# Altium PCB OpenCore_Carrier_Board.PcbDoc (part 4 of 5) (continued)
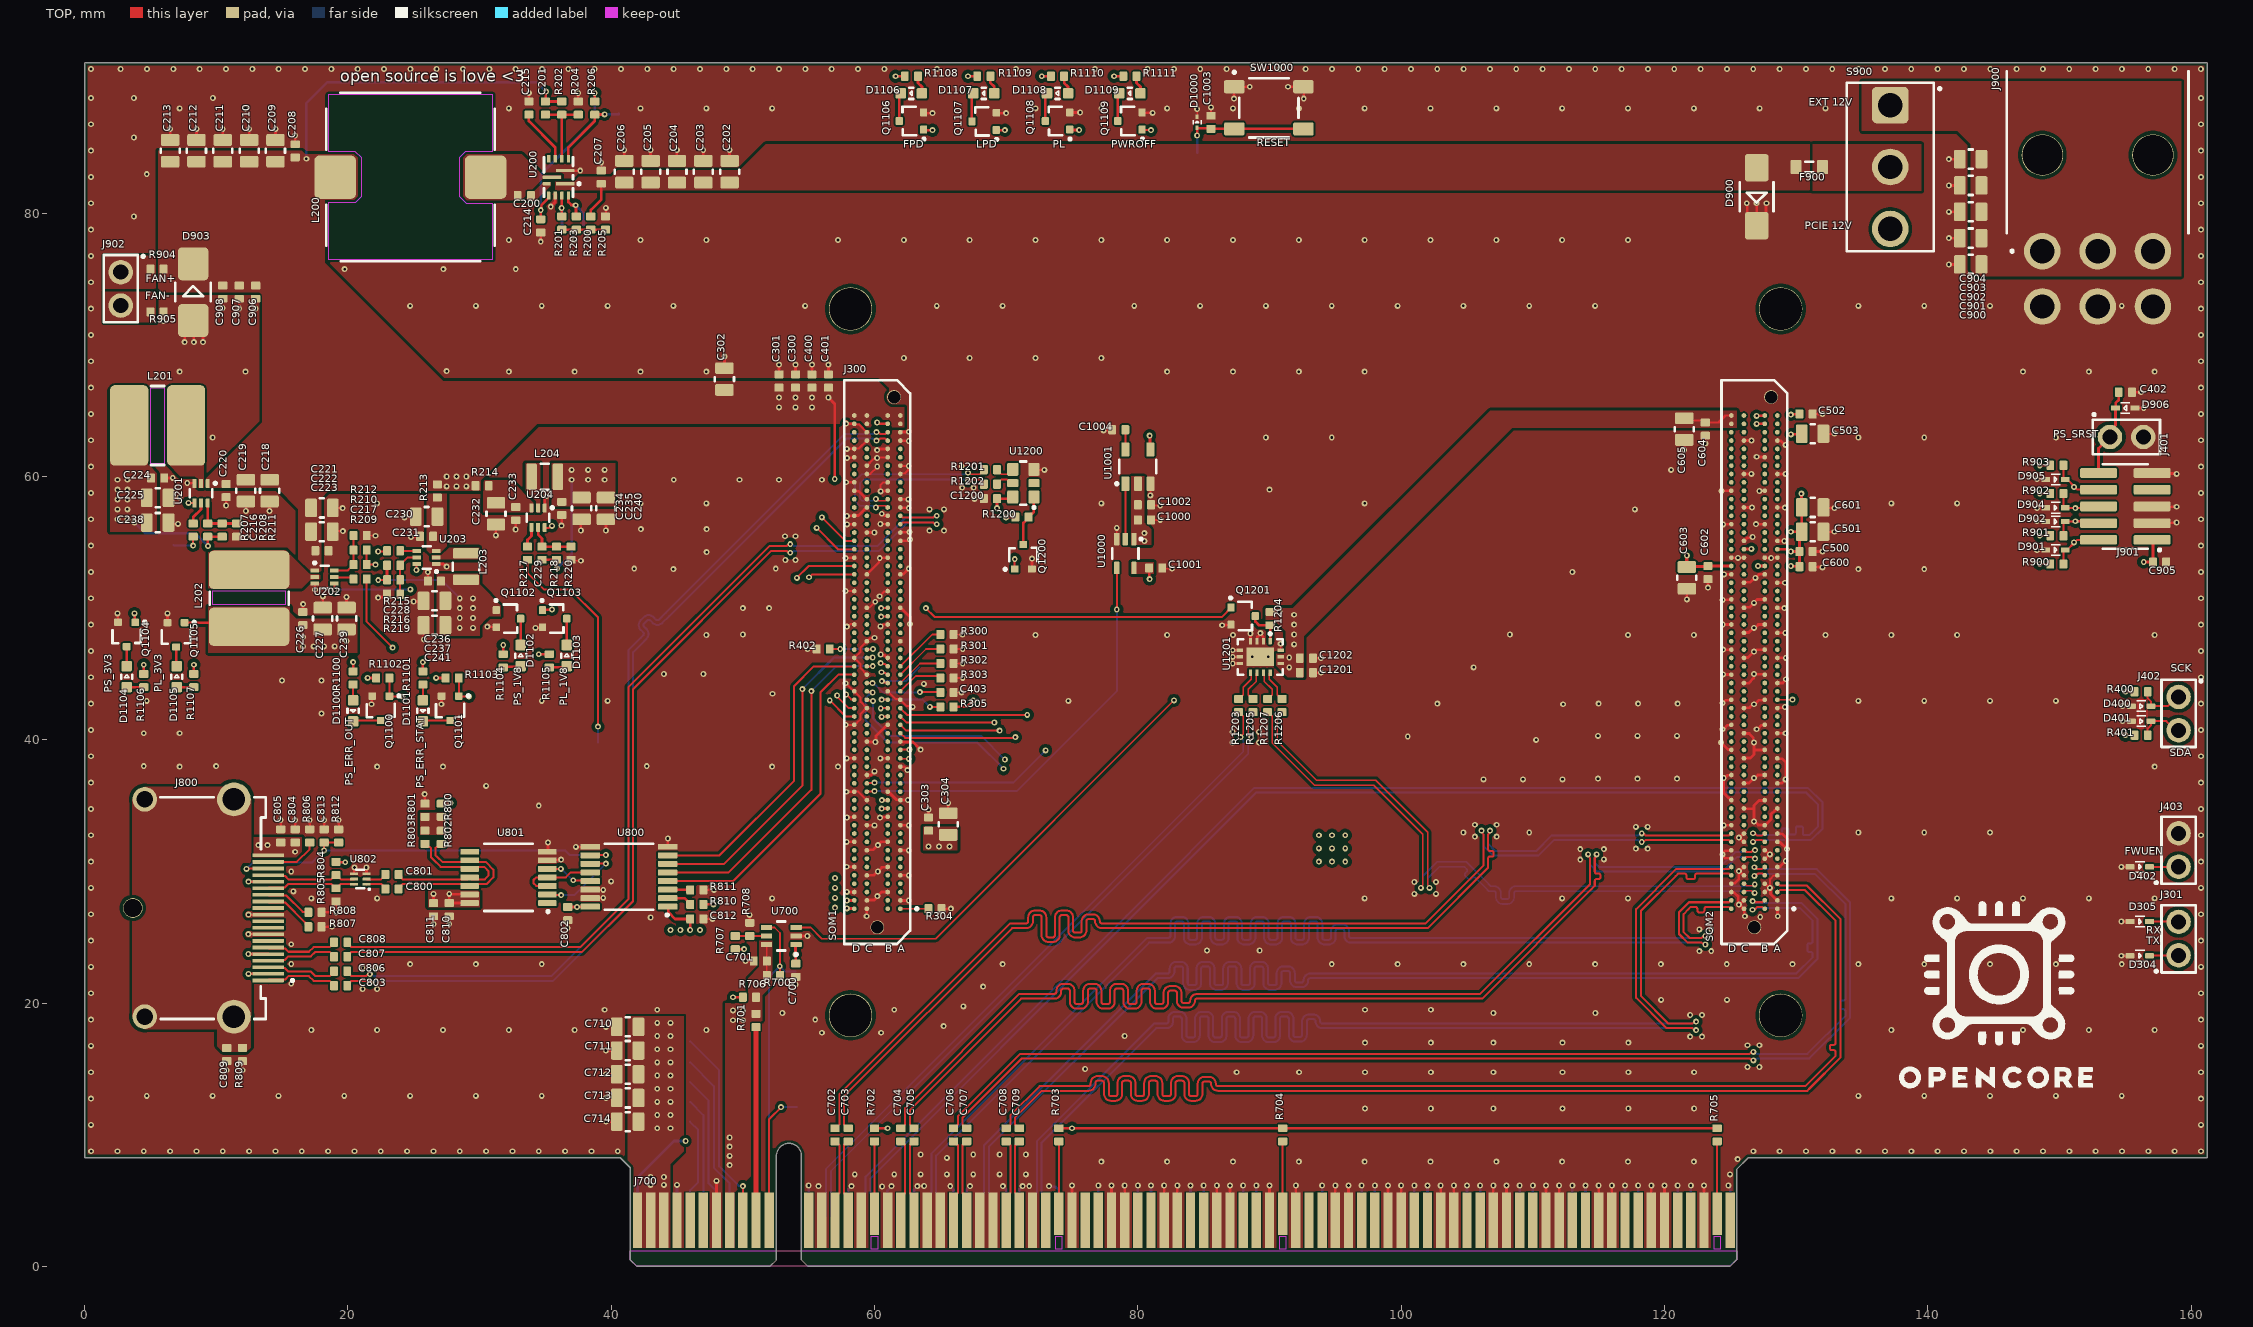
[diagram p0: TOP view]
## Nets (pads, with @x,y where several pads share a name; then routed paths per layer and width w, separated by ;. In a path a pad name is that pad's centre, name@x,y a point inside that pad or via, vN(x,y) a via of type N, cw(c..) or ccw(c..) an arc to the next point about the centre after c; other vN are vias at no path point) (continued)
HP_PRSNT#2_X16: J700.B81 R705.1 | length 5.5
  TOP w0.152: J700.B81@124,4 R705.1@124,9.5
I2C_SCK: D400.K J300.S1_C26 J402.1 R400.2 | length 107.8
  TOP w0.152: J300.S1_C26@59.423,43.042 59.462,43.004 59.834,43.004 v1(59.889,42.948) ; R400.2@156.7,43.65 156.7,43.16 156.939,42.921 D400.K@156.939,42.557 158.238,42.557 158.938,43.257 J402.1@159.048,43.257
  L4 SIG w0.152: v1(69.9,38.5) 154.291,38.5 J402.1@159.048,43.257
  BOT w0.152: v1(59.889,42.948) 59.889,41.618 61.207,40.3 68.1,40.3 v1(69.9,38.5)
I2C_SDA: D401.K J300.S1_C27 J402.2 R401.2 | length 108.9
  TOP w0.152: J300.S1_C27@59.423,43.677 59.462,43.639 59.811,43.639 v1(59.853,43.597) ; R401.2@156.7,40.35 156.7,40.85 156.939,41.089 D401.K@156.939,41.417 158.112,41.417 158.812,40.717 J402.2@159.048,40.717
  L4 SIG w0.152: v1(69.8,37.8) 154.3,37.8 157.217,40.717 J402.2@159.048,40.717
  BOT w0.152: v1(59.853,43.597) 59.772,43.597 59.678,43.503 59.659,43.503 59.334,43.178 59.334,41.466 60.986,39.814 67.786,39.814 v1(69.8,37.8)
JTAG_TCK_C2M: D902.K J300.S1_A25 J901.4 R901.2 | length 102
  TOP w0.152: J300.S1_A25@61.963,42.407 61.97,42.407 62.504,41.874 71.574,41.874 v1(71.6,41.9) ; R901.2@150.3,55.5 150.3,56.451 150.424,56.575 D902.K@150.44,56.575 150.452,56.587 151.187,56.587 v1(151.2,56.6) 152.823,56.6 J901.4@152.968,56.455
  L4 SIG w0.152: v1(71.6,41.9) 141.1,41.9 150.5,51.3 150.5,55.9 v1(151.2,56.6)
JTAG_TDI_C2M: D905.K J300.S1_A24 J901.8 R903.2 | length 103.6
  TOP w0.152: J300.S1_A24@61.963,41.772 61.97,41.772 62.424,41.319 v1(69.1,41.319) ; R903.2@150.3,60.85 150.3,59.899 150.424,59.775 150.575,59.775 151.1,59.25 v1(151.1,59.2) 151.137,59.2 151.342,58.995 J901.8@152.968,58.995
  L4 SIG w0.152: v1(69.1,41.319) 71.781,44 140.7,44 149.4,52.7 149.4,57.5 v1(151.1,59.2)
JTAG_TDO_M2C: D904.K J300.S1_A23 J901.6 R902.2 | length 102.3
  TOP w0.152: J300.S1_A23@61.963,41.137 61.97,41.137 62.408,40.7 v1(69.5,40.7) ; R902.2@150.3,58.7 150.3,57.749 150.424,57.625 D904.K@150.44,57.625 150.453,57.612 151.188,57.612 v1(151.2,57.6) 152.843,57.6 J901.6@152.968,57.725
  L4 SIG w0.152: v1(69.5,40.7) 72.5,43.7 140.9,43.7 150,52.8 150,56.4 v1(151.2,57.6)
JTAG_TMS_C2M: D901.K J300.S1_A22 J901.2 R900.2 | length 101.7
  TOP w0.152: J300.S1_A22@61.963,40.502 61.97,40.502 62.328,40.145 70.645,40.145 v1(70.7,40.2) ; R900.2@150.3,53.35 150.3,54.301 150.424,54.425 150.575,54.425 151.1,54.95 v1(151.1,55) 151.157,55 151.342,55.185 J901.2@152.968,55.185
  L4 SIG w0.152: v1(70.7,40.2) 71.9,41.4 141.4,41.4 151.1,51.1 v1(151.1,55)
NetC200_1: C200.1 U200.8
NetC215_1: C215.1 U200.5 | length 4.2
  TOP w0.203: C215.1@33.751,87.483 33.751,86.983 35.751,84.983 U200.5@35.751,84.133
NetC230_1: C230.1 C231.1 R213.2 U203.3
NetC232_1: C232.1 C233.1 R214.2 U204.3
NetC1004_1: C1004.1 U1001.5 | length 1.5
  TOP w0.152: U1001.5@79.05,62.05 C1004.1@79.05,63.55
NetD1100_A: D1100.A R1100.2 | length 1.2
  TOP w0.152: D1100.A@20.4,43 R1100.2@20.4,44.2
NetD1100_K: D1100.K Q1100.3 | length 2.1
  TOP w0.152: D1100.K@20.4,41.4 20.463,41.463 Q1100.3@22.5,41.463
NetD1101_A: D1101.A R1101.2 | length 1.2
  TOP w0.152: D1101.A@25.7,43 R1101.2@25.7,44.2
NetD1101_K: D1101.K Q1101.3 | length 2.1
  TOP w0.152: D1101.K@25.7,41.4 25.763,41.463 Q1101.3@27.774,41.463
NetD1102_A: D1102.A R1104.2 | length 1.4
  TOP w0.203: R1104.2@31.8,45.5 31.85,45.55 33.075,45.55 D1102.A@33.125,45.6
NetD1102_K: D1102.K Q1102.3 | length 2
  TOP w0.203: D1102.K@33.125,47.2 Q1102.3@33.125,49.2
NetD1103_A: D1103.A R1105.2 | length 1.4
  TOP w0.203: R1105.2@35.3,45.5 36.525,45.5 D1103.A@36.625,45.6
NetD1103_K: D1103.K Q1103.3 | length 2.1
  TOP w0.203: D1103.K@36.625,47.1 Q1103.3@36.625,49.2
NetD1104_A: D1104.A R1106.2 | length 1.3
  TOP w0.203: D1104.A@3.2,44 R1106.2@4.5,44
NetD1104_K: D1104.K Q1104.3 | length 1.5
  TOP w0.203: D1104.K@3.2,45.6 Q1104.3@3.2,47.075
NetD1105_A: D1105.A R1107.2 | length 1.3
  TOP w0.203: D1105.A@7,44 R1107.2@8.3,44
NetD1105_K: D1105.K Q1105.3 | length 1.5
  TOP w0.203: Q1105.3@6.95,47.05 6.975,47.025 6.975,45.625 D1105.K@7,45.6
NetD1106_A: D1106.A R1108.2 | length 1.4
  TOP w0.203: R1108.2@63.3,90.4 63.3,89.9 63.6,89.6 D1106.A@63.6,89.1
NetD1106_K: D1106.K Q1106.3 | length 2.1
  TOP w0.203: Q1106.3@61.875,87 61.888,87.013 61.888,89.088 D1106.K@61.9,89.1
NetD1107_A: D1107.A R1109.2 | length 1.4
  TOP w0.203: R1109.2@68.8,90.4 68.8,89.9 69.1,89.6 D1107.A@69.1,89.1
NetD1107_K: D1107.K Q1107.3 | length 2.2
  TOP w0.203: Q1107.3@67.4,86.975 67.375,87 67.375,88.975 D1107.K@67.5,89.1
NetD1108_A: D1108.A R1110.2 | length 1.4
  TOP w0.203: R1110.2@74.4,90.4 74.4,89.9 74.7,89.6 D1108.A@74.7,89.1
NetD1108_K: D1108.K Q1108.3 | length 2.2
  TOP w0.203: Q1108.3@72.975,87 72.975,88.975 D1108.K@73.1,89.1
NetD1109_A: D1109.A R1111.2 | length 1.4
  TOP w0.203: R1111.2@79.9,90.4 79.9,89.9 80.2,89.6 D1109.A@80.2,89.1
NetD1109_K: D1109.K Q1109.3 | length 2.2
  TOP w0.203: Q1109.3@78.475,87 78.475,88.975 D1109.K@78.6,89.1
NetF900_1: F900.1 S900.2
NetJ300_S1_A1: J300.S1_A1 R304.1 | length 2.2
  TOP w0.127: J300.S1_A1@61.963,27.167 64.067,27.167 R304.1@64.1,27.2
NetJ300_S1_D24: J300.S1_D24 Q1106.1 | length 62.8
  TOP w0.152: v1(56.6,43) 57.828,41.772 J300.S1_D24@58.463,41.772
  TOP w0.203: Q1106.1@63.725,86.35 63.775,86.3 v1(64.4,86.3)
  L4 SIG w0.152: v1(56.6,43) 55.8,43.8 55.8,48.4 62,54.6 69.1,54.6 74.1,59.6 74.1,77.2 65,86.3 v1(64.4,86.3)
NetJ300_S1_D25: J300.S1_D25 Q1107.1 | length 60
  TOP w0.152: v1(57.165,43.365) 57.165,43.285 58.043,42.407 J300.S1_D25@58.463,42.407
  TOP w0.203: Q1107.1@69.25,86.325 69.275,86.3 v1(69.9,86.3)
  L4 SIG w0.152: v1(57.165,43.365) 57.165,43.435 56.3,44.3 56.3,48.4 62,54.1 69.35,54.1 74.8,59.55 74.8,82 70.5,86.3 v1(69.9,86.3)
NetJ300_S1_D26: J300.S1_D26 Q1108.1 | length 57
  TOP w0.152: v1(57.85,43.442) 58.221,43.071 58.435,43.071 J300.S1_D26@58.463,43.042
  TOP w0.203: Q1108.1@74.825,86.35 74.859,86.316 v1(75.542,86.316)
  L4 SIG w0.152: v1(57.85,43.442) 57.85,43.466 56.8,44.516 56.8,48.3 62.1,53.6 69.6,53.6 75.542,59.542 v1(75.542,86.316)
NetR707_2: R707.2 R708.1 U700.5 | length 2.4
  TOP w0.127: R707.2@49.425,25.1 R708.1@50.525,25.1 U700.5@51.8,25.1
NetR800_2: R800.2 R801.1 R802.1 R803.1
NetR810_2: R810.2 U800.2 | length 1.9
  TOP w0.203: U800.2@44.288,27.975 45.575,27.975 46,27.55 R810.2@46,27.5
NetR811_1: R811.1 U800.3 | length 1.7
  TOP w0.203: U800.3@44.288,28.625 44.301,28.613 45.988,28.613 R811.1@46,28.6
PCIE_JTAG_TCK: J700.A5 TP700.1 | length 8
  BOT w0.152: J700.A5@46,3.5 46,5.8 46.6,6.4 46.6,10.37 46,10.97 TP700.1@46,11
PCIE_JTAG_TDI: J700.A6 TP701.1 | length 9.4
  BOT w0.152: TP701.1@46,12.5 47,11.5 J700.A6@47,3.5
PCIE_JTAG_TDO: J700.A7 TP702.1 | length 11.3
  BOT w0.152: TP702.1@46,14 47.4,12.6 47.4,6.3 47.961,5.739 47.961,3.539 J700.A7@48,3.5
PCIE_JTAG_TMS: J700.A8 TP703.1 | length 13.2
  BOT w0.152: TP703.1@46,15.5 47.8,13.7 47.8,7.5 49,6.3 J700.A8@49,3.5
PCIE_JTAG_TRSTn: J700.B9 TP704.1 | length 15.4
  TOP w0.152: J700.B9@50,3.5 v1(50,6.1)
  BOT w0.152: TP704.1@46,17.1 48.2,14.9 48.2,7.6 49.682,6.118 49.982,6.118 v1(50,6.1)
PCIE_PERSTN0_1V8: J300.S2_A26 U700.3 | length 85
  TOP w0.127: U700.3@54.05,25.75 55.15,25.75 56,24.9 64.65,24.9 v1(82.75,43) ; J300.S2_A26@128.575,43.042 128.578,43.045 129.72,43.045 v1(129.723,43.048)
  L4 SIG w0.127: v1(82.75,43) 83.15,43.4 129.371,43.4 v1(129.723,43.048)
PCIE_PERSTN0_3V3: J700.A11 R700.2 TP709.1 U700.4 | length 25.4
  TOP w0.127: U700.4@51.8,25.75 52.4,25.75 52.825,25.325 R700.2@52.825,22.1
  BOT w0.152: J700.A11@52,3.5 52,22 v1(52.8,22.8) 53.191,22.409 53.991,22.409 TP709.1@54,22.4
PCIE_WAKE: J700.B11 TP705.1 | length 10.2
  TOP w0.152: J700.B11@52,3.5 52,11.2 v1(52.9,12.1)
  BOT w0.152: v1(52.9,12.1) TP705.1@54.1,12.1
PMU_GPI: J300.S1_C32 R402.1 TP400.1 | length 4.8
  TOP w0.152: R402.1@56.6,46.9 v1(57.4,46.9) ; J300.S1_C32@59.423,46.852 59.447,46.876 59.859,46.876 v1(59.883,46.9)
  BOT w0.152: TP400.1@56.4,46.9 v1(57.4,46.9) v1(59.883,46.9)
PMU_GPO: J300.S1_B28 TP300.1 | length 3.8
  TOP w0.152: v1(60.56,44.46) 60.641,44.46 60.749,44.351 60.964,44.351 J300.S1_B28@61.003,44.312
  BOT w0.152: v1(60.56,44.46) 62.36,44.46 TP300.1@63.4,45.5
POR_MR_L: C1003.1 D1000.A SW1000.3 SW1000.4 TP1000.1 U1001.4 | length 35.7
  TOP w0.203: v1(80.9,63.1) 80.925,63.075 80.925,62.075 U1001.4@80.95,62.05 ; v1(84.5,85.9) D1000.A@84.5,86.48 84.5,86.463 84.523,86.44 85.51,86.44 C1003.1@85.55,86.4 SW1000.3@87.325,86.4 SW1000.4@92.575,86.4
  L4 SIG w0.203: v1(80.9,63.1) 80.9,82.9 83.9,85.9 v1(84.5,85.9)
  BOT w0.203: TP1000.1@84.5,84.6 v1(84.5,85.9)
PS_ERROR_OUT: J300.S1_B24 Q1100.1 R1102.2 | length 39.9
  TOP w0.152: R1102.2@23.15,44.7 Q1100.1@23.15,43.313 23.156,43.306 24.149,43.306 v1(24.155,43.3) ; v1(60.545,41.748) 60.558,41.76 60.991,41.76 J300.S1_B24@61.003,41.772
  L4 SIG w0.152: v1(24.155,43.3) 24.155,43.245 25.645,41.755 42.922,41.755 42.93,41.748 v1(60.545,41.748)
PS_ERROR_STATUS: J300.S1_B25 Q1101.1 R1103.2 | length 34.4
  TOP w0.152: R1103.2@28.424,44.7 Q1101.1@28.424,43.313 28.43,43.306 29.194,43.306 v1(29.2,43.3) ; v1(60.471,42.394) 60.478,42.401 60.996,42.401 J300.S1_B25@61.003,42.407
  L4 SIG w0.152: v1(29.2,43.3) 30.107,42.393 v1(60.471,42.394)
PS_MODE_0: J300.S1_A27 R303.1 | length 3.6
  TOP w0.127: J300.S1_A27@61.963,43.677 63.128,44.843 64.858,44.843 R303.1@65,44.7
PS_MODE_1: J300.S1_A28 R302.1 | length 3.7
  TOP w0.127: J300.S1_A28@61.963,44.312 63.45,45.8 R302.1@65,45.8
PS_MODE_2: J300.S1_A29 R301.1 | length 3.8
  TOP w0.127: J300.S1_A29@61.963,44.947 63.915,46.9 R301.1@65,46.9
PS_MODE_3: J300.S1_A30 R300.1 | length 4
  TOP w0.127: J300.S1_A30@61.963,45.582 64.38,48 R300.1@65,48
PS_POR_L_1V8: J300.S1_C15 U1000.4 | length 31.5
  TOP w0.152: J300.S1_C15@59.423,36.057 59.444,36.079 59.979,36.079 v1(60,36.1) ; v1(78.4,49.9) U1000.4@78.4,53.05
  BOT w0.152: v1(60,36.1) 70.8,36.1 78.4,43.7 v1(78.4,49.9)
PS_POR_L_3V3: U1000.2 U1001.1 | length 4.2
  TOP w0.152: U1000.2@79.05,55.25 U1001.1@79.05,59.45
PS_SRST_C2M_L: C402.1 D906.K J300.S1_C16 J401.1 J901.10 | length 120.4
  TOP w0.152: J300.S1_C16@59.423,36.692 59.452,36.721 59.971,36.721 v1(60,36.75)
  TOP w0.203: J901.10@152.968,60.265 152.968,62.138 J401.1@153.83,63 153.83,63.441 154.26,63.871 D906.K@154.26,65.2 154.265,65.205 154.265,65.586 154.5,65.821 C402.1@154.5,66.4
  L4 SIG w0.152: v1(73,39.2) 144.2,39.2 153.83,48.83 J401.1@153.83,63
  BOT w0.152: v1(60,36.75) 70.55,36.75 v1(73,39.2)
PWROFF_L: J300.S1_B26 Q1109.1 R305.2 | length 59.5
  TOP w0.152: v1(60.538,43.047) 60.54,43.045 61.001,43.045 J300.S1_B26@61.003,43.042 ; v1(64.2,42.5) R305.2@65,42.5 ; Q1109.1@80.325,86.35 80.375,86.3 v1(81,86.3)
  L4 SIG w0.152: v1(64.2,42.5) 64.255,42.445 68.445,42.445 76.3,50.3 76.3,82.1 80.5,86.3 v1(81,86.3)
  BOT w0.152: v1(60.538,43.047) 62.164,43.047 62.167,43.045 62.66,43.045 62.67,43.055 63.13,43.055 63.14,43.045 63.655,43.045 v1(64.2,42.5)
TPS_VCC: C214.1 R206.1 U200.9 | length 13.3
  TOP w0.203: C214.1@34.651,79.533 v1(34.651,80.233) 34.698,80.28 34.698,80.605 35.251,81.158 U200.9@35.251,81.333 ; R206.1@38.751,88.483 v1(38.751,89.133)
  BOT w0.203: v1(34.651,80.233) 34.651,82.933 38.751,87.033 v1(38.751,89.133)
UART1_RX: D305.K J300.S1_B30 J301.2 | length 111
  TOP w0.152: v1(60.469,45.825) 60.526,45.769 60.762,45.769 60.948,45.582 J300.S1_B30@61.003,45.582 ; D305.K@156.84,26.2 156.855,26.185 159.035,26.185 J301.2@159.05,26.17
  L4 SIG w0.152: v1(60.469,45.825) 60.478,45.834 60.966,45.834 62.3,44.5 62.3,42.1 69.5,34.9 149.1,34.9 157.83,26.17 J301.2@159.05,26.17
UART1_TX: D304.K J300.S1_B29 J301.1 | length 111.6
  TOP w0.152: v1(60.526,45.13) 60.578,45.079 60.816,45.079 60.948,44.947 J300.S1_B29@61.003,44.947 ; D304.K@156.84,23.6 156.855,23.615 159.035,23.615 J301.1@159.05,23.63
  L4 SIG w0.152: v1(60.526,45.13) 60.537,45.12 60.98,45.12 61.9,44.2 61.9,41.9 69.4,34.4 148.28,34.4 J301.1@159.05,23.63
pads on no net: J300. J300.S1_A3 J300.S1_A4 J300.S1_A6 J300.S1_A7 J300.S1_A9 J300.S1_A10 J300.S1_A12 J300.S1_A13 J300.S1_A15 J300.S1_A16 J300.S1_A17 J300.S1_A31 J300.S1_A32 J300.S1_A34 J300.S1_A35 J300.S1_A36 J300.S1_A38 J300.S1_A39 J300.S1_A40 J300.S1_A42 J300.S1_A43 J300.S1_A44 J300.S1_A51 J300.S1_A52 J300.S1_A55 J300.S1_A56 J300.S1_B1 J300.S1_B2 J300.S1_B4 J300.S1_B5 J300.S1_B7 J300.S1_B8 J300.S1_B10 J300.S1_B11 J300.S1_B16 J300.S1_B17 J300.S1_B18 J300.S1_B20 J300.S1_B21 J300.S1_B22 J300.S1_B32 J300.S1_B33 J300.S1_B34 J300.S1_B38 J300.S1_B40 J300.S1_B41 J300.S1_B42 J300.S1_B44 J300.S1_B45 J300.S1_B46 J300.S1_B53 J300.S1_B54 J300.S1_C3 J300.S1_C4 J300.S1_C6 J300.S1_C7 J300.S1_C9 J300.S1_C10 J300.S1_C12 J300.S1_C13 J300.S1_C18 J300.S1_C19 J300.S1_C20 J300.S1_C22 J300.S1_C23 J300.S1_C24 J300.S1_C34 J300.S1_C35 J300.S1_C36 J300.S1_C38 J300.S1_C39 J300.S1_C40 J300.S1_C42 J300.S1_C43 J300.S1_C44 J300.S1_C45 J300.S1_C47 J300.S1_C48 J300.S1_C51 J300.S1_C52 J300.S1_C55 J300.S1_C56 J300.S1_D4 J300.S1_D5 J300.S1_D7 J300.S1_D8 J300.S1_D10 J300.S1_D11 J300.S1_D13 J300.S1_D14 J300.S1_D16 J300.S1_D17 J300.S1_D18 J300.S1_D20 J300.S1_D21 J300.S1_D22 J300.S1_D28 J300.S1_D32 J300.S1_D33 J300.S1_D34 J300.S1_D36 J300.S1_D37 J300.S1_D38 J300.S1_D40 J300.S1_D46 J300.S1_D49 J300.S1_D50 J300.S1_D53 J300.S1_D54 J300.S1_D57 J300.S1_D58 J300.S2_A7 J300.S2_A8 J300.S2_A11 J300.S2_A12 J300.S2_A14 J300.S2_A15 J300.S2_A17 J300.S2_A18 J300.S2_A20 J300.S2_A21 J300.S2_A23 J300.S2_A24 J300.S2_A27 J300.S2_A29 J300.S2_A30 J300.S2_A32 J300.S2_A33 J300.S2_A35 J300.S2_A36 J300.S2_A38 J300.S2_A39 J300.S2_A41 J300.S2_A42 J300.S2_A46 J300.S2_A47 J300.S2_A48 J300.S2_A50 J300.S2_A51 J300.S2_A52 J300.S2_A54 J300.S2_A55 J300.S2_A56 J300.S2_A58 J300.S2_A59 J300.S2_A60 J300.S2_B12 J300.S2_B13 J300.S2_B15 J300.S2_B16 J300.S2_B18 J300.S2_B19 J300.S2_B21 J300.S2_B22 J300.S2_B24 J300.S2_B25 J300.S2_B27 J300.S2_B28 J300.S2_B30 J300.S2_B31 J300.S2_B33 J300.S2_B34 J300.S2_B36 J300.S2_B37 J300.S2_B39 J300.S2_B40 J300.S2_B44 J300.S2_B45 J300.S2_B46 J300.S2_B48 J300.S2_B49 J300.S2_B50 J300.S2_B52 J300.S2_B53 J300.S2_B54 J300.S2_B56 J300.S2_B57 J300.S2_B58 J300.S2_C11 J300.S2_C12 J300.S2_C14 J300.S2_C15 J300.S2_C17 J300.S2_C18 J300.S2_C20 J300.S2_C21 J300.S2_C23 J300.S2_C24 J300.S2_C26 J300.S2_C27 J300.S2_C29 J300.S2_C30 J300.S2_C32 J300.S2_C33 J300.S2_C35 J300.S2_C36 J300.S2_C38 J300.S2_C39 J300.S2_C41 J300.S2_C42 J300.S2_C46 J300.S2_C47 J300.S2_C48 J300.S2_C50 J300.S2_C51 J300.S2_C52 J300.S2_C54 J300.S2_C55 J300.S2_C56 J300.S2_C58 J300.S2_C59 J300.S2_C60 J300.S2_D12 J300.S2_D13 J300.S2_D15 J300.S2_D16 J300.S2_D18 J300.S2_D19 J300.S2_D21 J300.S2_D22 J300.S2_D24 J300.S2_D25 J300.S2_D27 J300.S2_D28 J300.S2_D30 J300.S2_D31 J300.S2_D33 J300.S2_D34 J300.S2_D36 J300.S2_D37 J300.S2_D39 J300.S2_D40 J300.S2_D44 J300.S2_D45 J300.S2_D46 J300.S2_D48 J300.S2_D49 J300.S2_D50 J300.S2_D52 J300.S2_D53 J300.S2_D54 J300.S2_D55 J300.S2_D56 J300.S2_D57 J300.S2_D58 J700.A19 J700.A32 J700.A33 J700.A35 J700.A36 J700.A39 J700.A40 J700.A43 J700.A44 J700.A47 J700.A48 J700.A50 J700.A52 J700.A53 J700.A56 J700.A57 J700.A60 J700.A61 J700.A64 J700.A65 J700.A68 J700.A69 J700.A72 J700.A73 J700.A76 J700.A77 J700.A80 J700.A81 J700.B5 J700.B6 J700.B12 J700.B30 J700.B33 J700.B34 J700.B37 J700.B38 J700.B41 J700.B42 J700.B45 J700.B46 J700.B50 J700.B51 J700.B54 J700.B55 J700.B58 J700.B59 J700.B62 J700.B63 J700.B66 J700.B67 J700.B70 J700.B71 J700.B74 J700.B75 J700.B78 J700.B79 J700.B82 J800.7 J800.9 J800.10 J800.12 J800.MH5 J900.MH1 J900.MH2 J901.7 U200.6 U801.1 U801.8 U1200.2

## Polygon pours and split planes (outlines as drawn)
GND on TOP "TOP_GND" (solid, remove dead copper, pour order 68): 41.95,0 52.05,0 52.55,0.5 52.55,8.4 cw(c53.5,8.4) 54.45,8.4 54.45,0.5 54.95,0 124.968,0 125.476,0.508 125.476,7.366 126.365,8.255 161.239,8.255 161.239,91.415 161.239,91.44 0,91.44 0,8.255 40.691,8.255 41.45,7.496 41.45,0.5
+12V_EXT on TOP "+12V_EXT_L01_P019" (solid, remove dead copper, pour order 19): 135,90 135,86.25 142.25,86.25 143.25,85.25 143.25,75.65 143.7,75.2 159.25,75.2 159.25,90
+12V_PCIE on TOP "+12V_PCIE_L01_P047" (solid, remove dead copper, pour order 47): 44.5,7.75 45.5,8.75 45.5,19 41.25,19 41.25,7.75 41.5,7.5 41.5,1.25 44.5,1.25
+3V3_PL on TOP "+3V3_PL_L01_P067" (solid, remove dead copper, pour order 67): 90.5,45.644 91.394,44.75 92.6,44.75 92.6,47.85 108.45,63.7 125.5,63.7 125.5,65 106.75,65 91.75,50 89.703,50 89.703,49.133 90.323,49.133 91.23,48.226 91.23,46.908 90.859,46.537 90.5,46.537
+3V3_PCIE on TOP "+3V3_PCIE_L01_P013" (solid, remove dead copper, pour order 13): 50.4,21.9 51.25,22.75 51.25,24.75 52.25,24.75 52.25,21.35 51.481,20.581 51.481,7.731 49.344,5.594 49.344,1.4 48.655,1.4 48.655,20 49.956,20 50.4,20.444
+1V8_PS on TOP "+1V8_PS_L01_P009" (solid, remove dead copper, pour order 9): 155.952,40.9 156.65,40.9 156.65,43.059 155.952,43.059
DP_SHIELD on TOP "DP_SHIELD_L01_P008" (solid, remove dead copper, pour order 8): 11.725,36.425 12.65,35.5 12.65,19.056 12.65,19.055 11.619,18.025 4.575,18.025 3.625,18.975 3.625,35.475 4.575,36.425
+1V8_PL on TOP "+1V8_PL_L01_P007" (solid, remove dead copper, pour order 7): 63.7,33.4 63.7,31.6 66.3,31.6 66.3,33.4
+5V on TOP "+5V_L01_P026" (solid, remove dead copper, pour order 26): 60.875,66.643 60.875,65.625 61.25,65.25 62.25,65.25 62.25,63.75 59,63.75 58.753,63.997 58.463,63.997 58.46,64 34.4,64 30.1,59.7 30.1,58.9 18.521,58.9 17.982,58.361 17.982,52.611 17.232,52.611 16.25,53.593 16.25,57.5 14.623,59.127 9.053,59.127 9.053,59.677 13.5,64.124 13.5,73.75 13.25,74 5.9,74 5.6,74.3 5.6,74.7 5.6,84.733 16.501,84.733 16.751,84.483 20.751,84.483 20.751,80.983 20.734,81 18.25,81 18.25,76.25 27.25,67.25 60.268,67.25
DP_SHIELD on TOP "DP_SHIELD_L01_P061" (solid, remove dead copper, pour order 61): 12.3,16.3 12.631,16.631 12.631,19.036 10.068,19.036 10.068,16.732 10.5,16.3
+3V3_PS on TOP "+3V3_PS_L01_P059" (solid, remove dead copper, pour order 59): 81,54.8 81,56 80.5,56.5 80.5,57.4 80.5,60 79.5,60 79.5,54.8
+3V3_PS on TOP "+3V3_PS_L01_P053" (solid, remove dead copper, pour order 53): 12.753,31.089 16.189,31.089 16.5,31.4 16.5,32.6 12.753,32.6
+3V3_PS on TOP "+3V3_PS_L01_P044" (solid, remove dead copper, pour order 44): 26.1,27.3 30,27.3 30,28.6 26.1,28.6
+1V8_PL on TOP "+1V8_PL_L01_P035" (solid, remove dead copper, pour order 35): 35.5,61 35.5,57.75 40.3,57.75 40.3,61
FAN- on TOP "FAN-_L01_P034" (solid, remove dead copper, pour order 34): 5.4,71.71 5.4,74.21 1.5,74.21 1.5,71.71
FAN+ on TOP "FAN+_L01_P033" (solid, remove dead copper, pour order 33): 5.4,74.25 5.4,76.75 1.5,76.75 1.5,74.25
+3V3_PL on TOP "+3V3_PL_L01_P032" (solid, remove dead copper, pour order 32): 15.6,50.1 15.6,49.693 16.093,49.2 20.7,49.2 20.7,46.6 9.4,46.6 9.4,50.1
+1V8_PS on TOP "+1V8_PS_L01_P030" (solid, remove dead copper, pour order 30): 30,47.9 30,48.677 30.723,49.4 31.6,49.4 31.6,50.2 30,51.8 30,52.6 26.75,52.6 26.75,47.9
NetC232_1 on TOP "NETC232_1_L01_P029" (solid, remove dead copper, pour order 29): 34.105,57.3 30.3,57.3 30.3,59.7 32.4,59.7 34.105,57.995
1V8_PL_SW on TOP "1V8_PL_SW_L01_P028" (solid, remove dead copper, pour order 28): 34.3,57.3 34.6,57.3 34.6,61 33.5,61 33.5,58.9 34.3,58.1
NetC230_1 on TOP "NETC230_1_L01_P027" (solid, remove dead copper, pour order 27): 26,58.75 26,54.4 26.231,54.169 27.169,54.169 27.5,54.5 27.5,58.75
NetC200_1 on TOP "NETC200_1_L01_P025" (solid, remove dead copper, pour order 25): 35.4,82.357 35.4,82.1 34.25,80.95 33.604,80.95 33.604,81.647 34.09,81.647 34.8,82.357
NetR800_2 on TOP "NETR800_2_L01_P024" (solid, remove dead copper, pour order 24): 25.5,34.45 25.5,32.8 27.45,32.8 27.45,34.45
1V8_PS_SW on TOP "1V8_PS_SW_L01_P022" (solid, remove dead copper, pour order 22): 26.375,54 26.375,53.7 29.975,53.7 29.975,54.6 27.688,54.6 27.088,54
+12V on TOP "+12V_L01_P021" (solid, remove dead copper, pour order 21): 131.25,85.25 131.25,82 131,81.75 35.751,81.75 35.751,82.4 37.2,82.4 37.55,82.75 40,82.75 40.5,83.25 49.75,83.25 51.75,85.25
NetF900_1 on TOP "NETF900_1_L01_P020" (solid, remove dead copper, pour order 20): 131.25,81.7 139.5,81.7 139.5,85.25 131.25,85.25
3V3_PL_SW on TOP "3V3_PL_SW_L01_P018" (solid, remove dead copper, pour order 18): 17.9,52.611 17.079,52.611 15.29,54.4 9.4,54.4 9.4,51.5 16.5,51.5 17.111,52.111 17.9,52.111
5V_SW on TOP "5V_SW_L01_P017" (solid, remove dead copper, pour order 17): 33.183,80.983 31.101,80.983 30.751,80.983 28.751,80.983 28.751,84.483 33.217,84.483 34.84,82.86 36.195,82.86 36.195,82.608 34.808,82.608
+3V3_PS on TOP "+3V3_PS_L01_P015" (solid, remove dead copper, pour order 15): 4.803,60.947 5.5,60.25 5.5,55.8 1.948,55.8 1.948,66.6 4.803,66.6
3V3_PS_SW on TOP "3V3_PS_SW_L01_P014" (solid, remove dead copper, pour order 14): 6.303,60.997 7.273,60.027 8.353,60.027 8.653,59.727 8.653,59.127 9.053,59.127 9.053,59.677 9.053,66.747 6.303,66.747
+1V8_PS on TOP "+1V8_PS_L01_P012" (solid, remove dead copper, pour order 12): 79.5,53.5 81.2,53.5 81.2,52.6 79.5,52.6
GND on L3 PWR "L3_GND" (solid, remove dead copper, pour order 58): 41.95,-0.025 52.05,-0.025 52.55,0.475 52.55,8.375 cw(c53.5,8.375) 54.45,8.375 54.45,0.475 54.95,-0.025 124.968,-0.025 125.476,0.483 125.476,7.341 126.365,8.23 161.239,8.23 161.239,91.39 161.239,91.415 0,91.415 0,8.23 40.691,8.23 41.45,7.471 41.45,0.475
+12V_PCIE on L3 PWR "+12V_PCIE_L03_P046" (solid, remove dead copper, pour order 46): 87.965,38.235 88.835,38.235 90.9,40.3 90.915,41.185 95.1,45.37 95.1,50.95 124.351,80.201 128.501,80.201 129.1,80.8 140,80.8 140,77 133.6,77 127.677,71.077 127.677,68.927 68.75,10 66.6,10 41,10 41,18.8 45.2,18.8 47,17 56,17 66.73,17
+5V on L3 PWR "+5V_L03_P041" (solid, remove dead copper, pour order 41): 57,66.187 55.563,64.75 50.5,64.75 49.75,65.5 49.75,80.75 59.75,90.75 78.8,90.75 78.8,89.75 62.75,89.75 52.479,79.479 52.479,68.344 53.323,67.5 57,67.5
+3V3_PS on L3 PWR "+3V3_PS_L03_P039" (solid, remove dead copper, pour order 39): 26,27.75 26.75,27 32.7,27 34.7,25 39.5,20.2 56.45,20.2 57.25,21 65.75,21 80.9,36.15 80.9,56.1 77.3,56.1 75.4,58 68.5,58 68.5,56.25 69,55.75 72.75,55.75 76.75,51.75 76.75,37.75 64.75,25.75 42.75,25.75 33,35.5 28.5,35.5 22,35.5 9.75,47.75 9.75,56 5,60.75 1.75,60.75 1.75,48.25 12.75,37.25 12.75,31 17.5,31 18.25,30.25 24.5,30.25 26,28.75
+1V8_PS on L3 PWR "+1V8_PS_L03_P037" (solid, remove dead copper, pour order 37): 47.229,25.3 47.229,26.279 48.1,27.15 48.1,27.8 47.65,28.25 46.75,28.25 30,45 30,51.25 28,51.25 28,48 25.25,45.25 21.2,45.25 21.2,44.25 26.25,44.25 44,26.5 44,25.3
+3V3_PL on L3 PWR "+3V3_PL_L03_P057" (solid, remove dead copper, pour order 57): 67.5,61.046 67.9,60.646 67.9,60.42 67.9,59.8 80,59.8 91.25,48.55 91.25,44.75 92.5,44.75 92.5,54.75 78.85,68.4 59.4,68.4 55.565,64.565 34.365,64.565 23.55,53.75 20.7,53.75 20.7,50.5 19.4,49.2 16,49.2 16,46.75 23.45,46.75 36.5,59.8 57.565,59.8 58.265,59.1 65.6,59.1 66.219,59.719 66.219,60.699 66.57,61.046
+1V8_PL on L3 PWR "+1V8_PL_L03_P049" (solid, remove dead copper, pour order 49): 93.2,33.3 94.8,33.3 126.7,65.2 130.7,65.2 130.7,52.2 120.45,52.2 98.375,30.125 93.2,30.125
+1V8_PL on L3 PWR "+1V8_PL_L03_P042" (solid, remove dead copper, pour order 42): 36.5,61 36.5,54.75 34.25,52.5 34.25,49.5 57,26.75 58.75,26.75 58.75,32 61.25,34.5 61.25,35.75 52.25,35.75 40.25,47.75 40.25,61
GND on BOT "BOT_GND" (solid, remove dead copper, pour order 66): 41.95,0 52.05,0 52.55,0.5 52.55,8.4 cw(c53.5,8.4) 54.45,8.4 54.45,0.5 54.95,0 124.968,0 125.476,0.508 125.476,7.366 126.365,8.255 161.239,8.255 161.239,91.415 161.239,91.44 0,91.44 0,8.255 40.691,8.255 41.45,7.496 41.45,0.5
+1V8_PS on BOT "+1V8_PS_L06_P060" (solid, remove dead copper, pour order 60): 144,60.75 144,53.817 155.075,42.742 155.075,41.134 154.841,40.9 154.6,40.9 154.6,40 156,40 156,50 156.8,50.8 156.8,53.9 149.6,53.9 149.1,54.4 149.1,61.2 139.8,70.5 103.85,70.5 86.85,53.5 56.7,53.5 43.75,40.55 43.75,25.3 48,25.3 48,40.5 58,50.5 88.5,50.5 105.25,67.25 137.5,67.25
+1V8_PL on BOT "+1V8_PL_L06_P055" (solid, remove dead copper, pour order 55): 58.25,29.771 58.25,26.15 55.6,23.5 49.75,23.5 49.75,24.5 54.5,24.5 56.5,26.5 56.5,29.771
+3V3_PCIE on BOT "+3V3_PCIE_L06_P052" (solid, remove dead copper, pour order 52): 48.647,7.053 49.5,6.2 49.5,1.38 51.396,1.38 51.396,20 48.647,20
+12V_PCIE on BOT "+12V_PCIE_L06_P040" (solid, remove dead copper, pour order 40): 42.7,1.5 44.3,1.5 44.3,7.2 42.7,7.2
+5V on BOT "+5V_L06_P054" (solid, remove dead copper, pour order 54): 32.8,47.8 33.35,47.25 35.75,47.25 35.75,46 35,45.25 30.75,45.25 4,45.25 4,46.4 19.9,46.4 29.65,46.4 31,47.75 31,52.6 27.25,56.35 27.25,60.5 29.5,60.5 29.5,56.9 32.8,53.6
GND on L4 SIG "L4_GND" (solid, remove dead copper, pour order 56): 41.95,0 52.05,0 52.55,0.5 52.55,8.4 cw(c53.5,8.4) 54.45,8.4 54.45,0.5 54.95,0 124.968,0 125.476,0.508 125.476,7.366 126.365,8.255 161.239,8.255 161.239,91.415 161.239,91.44 0,91.44 0,8.255 40.691,8.255 41.45,7.496 41.45,0.5
+1V8_PL on L4 SIG "+1V8_PL_L04_P051" (solid, remove dead copper, pour order 51): 56.5,30.95 58.875,33.325 58.875,35.7 61.25,35.7 63.5,33.45 96.5,33.45 96.5,30.05 95.6,30.05 92.25,26.7 68.95,26.7 66,23.75 58.25,23.75 56.5,25.5
GND on L2 GND "L2_GND" (solid, remove dead copper, pour order 48): 41.95,0 52.05,0 52.55,0.5 52.55,8.4 cw(c53.5,8.4) 54.45,8.4 54.45,0.5 54.95,0 124.968,0 125.476,0.508 125.476,7.366 126.365,8.255 161.239,8.255 161.239,91.415 161.239,91.44 0,91.44 0,8.255 40.691,8.255 41.45,7.496 41.45,0.5
GND on L5 GND "L5_GND" (solid, remove dead copper, pour order 50): 41.95,0 52.05,0 52.55,0.5 52.55,8.4 cw(c53.5,8.4) 54.45,8.4 54.45,0.5 54.95,0 124.968,0 125.476,0.508 125.476,7.366 126.365,8.255 161.239,8.255 161.239,91.415 161.239,91.44 0,91.44 0,8.255 40.691,8.255 41.45,7.496 41.45,0.5

## Keep-outs
TOP:
  region: 123.725,1.35 124.275,1.35 124.275,2.25 123.725,2.25
  region: 90.725,1.35 91.275,1.35 91.275,2.25 90.725,2.25
  region: 73.725,1.35 74.275,1.35 74.275,2.25 73.725,2.25
  region: 59.725,1.35 60.275,1.35 60.275,2.25 59.725,2.25
  region: 41.45,1.2 125.476,1.2 125.476,0.508 124.968,0 41.95,0 41.45,0.5
  region: 9.7,50.3 15.3,50.3 15.3,51.3 9.7,51.3
  region: 18.5,89 18.5,84.7 20.534,84.7 21,84.234 21,81.232 20.568,80.8 18.5,80.8 18.5,76.5 31,76.5 31,80.7 29.034,80.7 28.5,81.234 28.5,84.232 28.968,84.7 31,84.7 31,89
  region: 5,61 6.1,61 6.1,66.7 5,66.7
L2 GND:
  region: 41.45,1.2 125.476,1.2 125.476,0.508 124.968,0 41.95,0 41.45,0.5
L3 PWR:
  region: 41.45,1.2 125.476,1.2 125.476,0.508 124.968,0 41.95,0 41.45,0.5
L4 SIG:
  region: 41.45,1.2 125.476,1.2 125.476,0.508 124.968,0 41.95,0 41.45,0.5
L5 GND:
  region: 41.45,1.2 125.476,1.2 125.476,0.508 124.968,0 41.95,0 41.45,0.5
BOT:
  region: 41.45,1.2 125.476,1.2 125.476,0.508 124.968,0 41.95,0 41.45,0.5

## Silkscreen, mask and mechanical layers (free items; w line width, h text height)
Top Overlay:
  drawing of 22 lines, arcs and shapes, not listed
  text "open source is love <3" at 19.436,89.686 h1.52
  text "EXT 12V" at 130.947,87.941 h1.02
  text "RESET" at 89.013,84.837 h1.02
  text "FPD" at 62.192,84.739 h1.02
  text "LPD" at 67.709,84.737 h1.02
  text "PL" at 73.549,84.726 h1.02
  text "PWROFF" at 77.986,84.737 h1.02
  text "PCIE 12V" at 130.647,78.543 h1.02
  text "FAN+" at 4.642,74.537 h1.02
  text "FAN-" at 4.619,73.237 h1.02
  text "PS_SRST" at 149.515,62.708 h1.02
  text "SCK" at 158.444,44.937 h1.02
  text "PL_3V3" at 6.092,43.606 h1.02 r90
  text "PS_3V3" at 2.292,43.59 h1.02 r90
  text "PL_1V8" at 36.892,42.598 h1.02 r90
  text "PS_1V8" at 33.392,42.582 h1.02 r90
  text "SDA" at 158.383,38.537 h1.02
  text "PS_ERR_OUT" at 20.592,36.519 h1.02 r90
  text "PS_ERR_STAT" at 25.992,36.327 h1.02 r90
  text "FWUEN" at 154.971,31.04 h1.02
  text "RX" at 156.595,25.037 h1.02
  text "TX" at 156.595,24.237 h1.02
  text "D" at 58.298,23.637 h1.02
  text "C" at 59.309,23.637 h1.02
  text "B" at 60.827,23.637 h1.02
  text "A" at 61.774,23.637 h1.02
  text "D" at 124.836,23.637 h1.02
  text "C" at 125.847,23.637 h1.02
  text "B" at 127.365,23.637 h1.02
  text "A" at 128.312,23.637 h1.02
Bottom Overlay:
  drawing of 131 lines, arcs and shapes, not listed